# Allegro board 08_038702e.brd (continued)
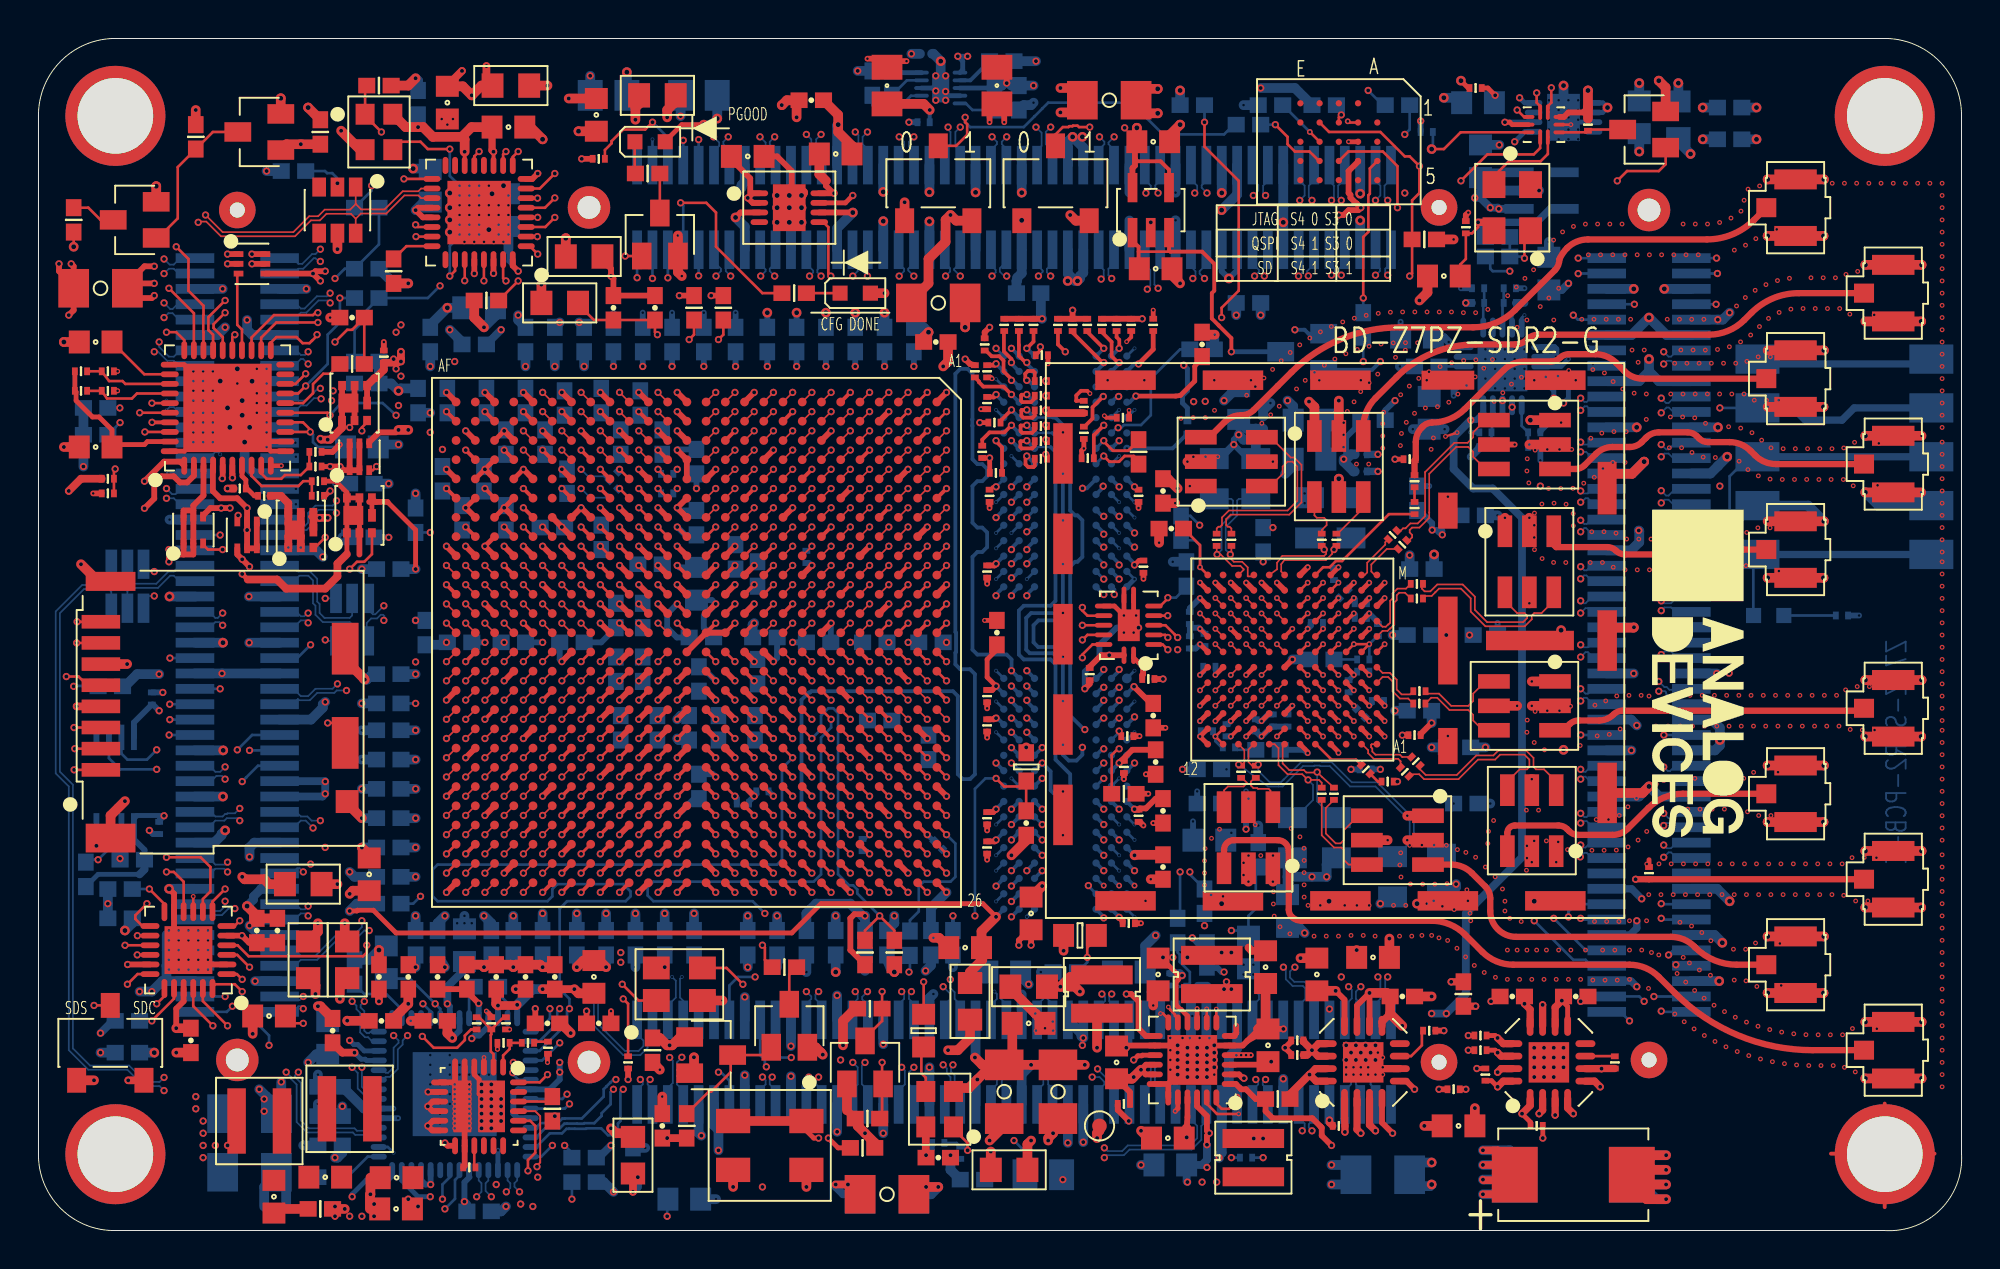
[diagram p0: board, top side]
## Routing (per net, layer and track width the routed paths; a pad name or vN(x,y) marks a point on that pad's centre or on a via; arc(x,y) is an arc through that point) (continued)
  L19_GND w0.089: v4(33.45,13.19) 33.33,13.32 33.33,13.49 33.4,13.57 33.4,13.72 33.33,13.8 33.33,13.95 32.95,14.33 30.41,14.33 v1(30.28,14.46)
  BOTTOM w0.089: JX2.7 33.53,11.95 33.36,12.12 33.36,13.09 v4(33.45,13.19)
IO_L03_13_JX2_P: length 73.3
  TOP w0.089: U1.AE25 v1(22.22,18.59)
  L3_SIG w0.089: v1(22.22,18.59) 22.28,18.65 22.53,18.65 22.67,18.51 22.67,18.14 22.52,17.99 22.4,17.99 22.2,18.2 21.95,18.2 21.88,18.27 21.88,34.8 22.08,35 22.32,35 22.55,34.77 22.55,34.73 22.55,34.73 22.55,34.45 22.55,34.45 22.55,33.73 22.55,33.73 22.55,33.45 22.55,33.45 22.55,32.73 22.55,32.73 22.55,32.45 22.55,32.45 22.55,31.73 22.55,31.73 22.55,31.45 22.55,31.45 22.55,29.73 22.55,29.73 22.55,29.45 22.55,29.45 22.55,28.73 22.55,28.73 22.55,28.45 22.55,28.45 22.55,27.73 22.55,27.73 22.55,25.24 22.87,24.93 23.49,24.93 23.81,25.24 23.81,34.77 24.04,35 24.37,35 24.56,34.8 24.56,17.28 25.2,16.64 25.2,15.35 25.56,14.99 25.56,14.48 25.96,14.08 30.15,14.08 v1(30.28,13.95)
  L19_GND w0.089: v1(30.28,13.95) 30.41,14.08 32.84,14.08 33.07,13.85 33.07,13.32 v4(32.95,13.19)
  BOTTOM w0.089: v4(32.95,13.19) 33.14,12.99 33.14,12.12 32.73,11.7 JX2.5
IO_L03_33_JX1_N: length 74
  TOP w0.089: U1.F2 v1(42.22,42.59)
  L4_SIG w0.089: v1(47.93,49.64) 47.93,51.54 47.68,51.8 44.88,51.8 44.63,52.05 44.63,53.07 44.38,53.32 43.23,53.32 42.98,53.07 42.98,50.51 42.87,50.4 41.43,50.4 41.33,50.51 41.33,51.39 40.92,51.8 37.67,51.8 37.28,51.42 36.73,51.42 36.35,51.8 33.96,51.8 33.71,51.54 33.71,49.26 33.96,49 41.86,49 41.96,48.9 41.96,48.22 41.86,48.11 41.49,48.11 41.22,48.39 40.68,48.39 40.4,48.11 39.97,48.11 39.69,48.39 39.15,48.39 38.88,48.11 38.44,48.11 38.17,48.39 37.63,48.39 37.35,48.11 30.02,48.11 29.77,47.86 29.77,47.1 30.02,46.84 31.96,46.84 32.04,46.93 32.32,46.93 32.4,46.84 35.63,46.84 36.12,46.36 36.12,46.06 35.56,45.5 35.56,38.53 35.63,38.47 35.63,38.34 36.01,37.95 38.42,37.95 38.88,38.42 38.88,38.73 39.08,38.92 39.39,38.92 39.88,39.42 39.88,39.73 40.08,39.92 40.39,39.92 40.81,40.34 40.81,40.65 41.08,40.92 41.61,40.92 41.84,41.16 41.84,42.22 v1(42.22,42.59)
  BOTTOM w0.089: JX1.44 47.93,50.32 47.61,50 47.61,49.96 v1(47.93,49.64)
IO_L03_33_JX1_P: length 73.9
  TOP w0.089: U1.G2 v1(41.22,42.59)
  L4_SIG w0.089: v1(47.17,49.64) 47.46,49.64 47.68,49.86 47.68,50.27 47.55,50.4 47.04,50.4 46.89,50.53 46.89,50.78 47.04,50.91 47.55,50.91 47.68,51.04 47.68,51.42 47.55,51.54 44.78,51.54 44.38,51.95 44.38,52.96 44.27,53.07 43.34,53.07 43.23,52.96 43.23,50.4 42.98,50.15 41.33,50.15 41.07,50.4 41.07,51.29 40.82,51.54 37.77,51.54 37.39,51.16 36.63,51.16 36.25,51.54 34.07,51.54 33.96,51.44 33.96,49.36 34.07,49.26 41.96,49.26 42.22,49 42.22,48.11 41.96,47.86 41.38,47.86 41.11,48.13 40.78,48.13 40.51,47.86 39.86,47.86 39.59,48.13 39.26,48.13 38.98,47.86 38.34,47.86 38.06,48.13 37.73,48.13 37.46,47.86 30.13,47.86 30.02,47.76 30.02,47.2 30.13,47.1 31.86,47.1 31.94,47.18 32.43,47.18 32.51,47.1 35.74,47.1 36.37,46.46 36.37,45.96 35.82,45.4 35.82,38.64 35.88,38.58 35.88,38.45 36.12,38.21 38.31,38.21 38.62,38.52 38.62,38.83 38.97,39.18 39.28,39.18 39.62,39.52 39.62,39.83 39.97,40.18 40.28,40.18 40.55,40.45 40.55,40.76 40.97,41.18 41.5,41.18 41.59,41.26 41.59,42.29 41.48,42.4 41.4,42.4 v1(41.22,42.59)
  BOTTOM w0.089: v1(47.17,49.64) 47.4,49.87 47.4,50.05 47.13,50.32 JX1.42
IO_L03_34_JX4_N: length 72.2
  TOP w0.089: U1.G9 v1(41.22,35.59)
  L17_SIG w0.089: v1(84.38,40.24) 84.19,40.05 84.06,40.05 84,40.11 84,40.37 83.75,40.62 82.88,40.62 81.55,41.95 81.55,44.18 81.17,44.56 81.08,44.56 80.7,44.94 80.7,46.72 81.08,47.1 81.17,47.1 81.55,47.48 81.55,48.68 81.23,49 80.44,49 79.68,48.24 79.17,48.24 78.79,48.62 78.79,51.69 78.43,52.05 77.88,52.05 76.9,51.07 62.79,51.07 61.74,50.02 61.14,50.02 60.09,51.07 50.23,51.07 48.81,49.65 48.81,48.25 48.43,47.87 46.4,47.87 46.26,47.74 46.26,47.27 44.48,45.49 42.49,45.49 40.82,43.82 40.82,36.18 40.84,36.16 40.84,35.96 v1(41.22,35.59)
  BOTTOM w0.089: v1(84.38,40.24) 84.55,40.41 84.76,40.41 85,40.17 JX4.27
IO_L03_34_JX4_P: length 72.6
  TOP w0.089: U1.H9 v1(40.22,35.59)
  L17_SIG w0.089: v1(84.38,40.88) 82.98,40.88 81.8,42.06 81.8,44.28 81.27,44.81 81.18,44.81 80.95,45.04 80.95,46.61 81.18,46.84 81.27,46.84 81.8,47.37 81.8,48.79 81.33,49.26 80.34,49.26 79.58,48.5 79.28,48.5 79.05,48.73 79.05,51.8 78.54,52.31 77.78,52.31 76.8,51.33 62.68,51.33 61.63,50.27 61.24,50.27 60.19,51.33 50.13,51.33 48.56,49.75 48.56,48.36 48.32,48.13 46.29,48.13 46.01,47.84 46.01,47.37 44.38,45.74 42.38,45.74 40.57,43.92 40.57,36.07 40.59,36.05 40.59,35.96 v1(40.22,35.59)
  BOTTOM w0.089: JX4.25 85.11,40.97 84.76,40.62 84.63,40.62 v1(84.38,40.88) ; v1(40.22,35.59) 39.98,35.35 R53.1
IO_L03_35_RX_D2_N: length 44.2
  TOP w0.089: U1.F10 v1(42.22,34.59) ; v6(62.8,32.89) U17.K9
  L17_SIG w0.089: v6(62.8,32.89) 62.94,32.75 63.04,32.75 63.3,33 63.3,33.13 63.04,33.38 62.66,33.38 62.54,33.51 62.5,33.51 62.5,33.67 62.3,33.88 62.3,33.88 62.16,34.02 62.16,34.14 62.28,34.27 62.41,34.27 62.74,34.6 63.38,34.6 63.54,34.44 63.82,34.44 63.98,34.6 65.69,34.6 65.87,34.79 65.94,34.79 66.35,35.19 66.35,35.67 66.09,35.92 60.5,35.92 60.25,35.67 57.75,35.67 57.34,35.25 57.18,35.25 57.13,35.21 56.85,35.21 56.81,35.25 55.58,35.25 55.53,35.21 55.25,35.21 55.04,35.42 55.04,35.75 54.79,36.01 53.52,36.01 53.27,36.26 53.27,36.94 53.01,37.19 52.25,37.19 52,36.94 52,36.26 51.74,36.01 51.23,36.01 50.98,36.26 50.98,36.43 50.73,36.68 50.34,36.68 50.09,36.43 50.09,35.75 49.63,35.29 49,35.29 48.89,35.39 48.89,37.04 48.49,37.45 47.55,37.45 47.35,37.25 46.04,37.25 45.63,36.83 45.63,36.34 45.65,36.32 45.65,35.85 45.63,35.83 45.63,35.43 45.39,35.19 42.97,35.19 42.61,34.84 42.61,34.65 42.6,34.63 42.6,33.48 42.36,33.24 42.07,33.24 41.87,33.44 41.87,33.84 41.84,33.86 41.84,34.22 v1(42.22,34.59)
IO_L03_35_RX_D2_P: length 44.4
  TOP w0.089: v6(62,32.09) U17.J10 ; U1.G10 v1(41.22,34.59)
  L17_SIG w0.089: v1(41.22,34.59) 41.59,34.22 41.59,33.76 41.61,33.73 41.61,33.34 41.97,32.99 42.47,32.99 42.85,33.37 42.85,34.53 42.87,34.54 42.87,34.73 43.07,34.94 45.5,34.94 45.9,35.34 45.9,35.43 45.88,35.45 45.88,35.73 45.9,35.75 45.9,36.43 45.88,36.45 45.88,36.73 46.15,37 47.46,37 47.65,37.19 48.39,37.19 48.64,36.94 48.64,35.29 48.89,35.03 49.74,35.03 50.34,35.64 50.34,36.33 50.45,36.43 50.62,36.43 50.73,36.33 50.73,36.15 51.13,35.75 51.85,35.75 52.25,36.15 52.25,36.83 52.35,36.94 52.91,36.94 53.01,36.83 53.01,36.15 53.41,35.75 54.68,35.75 54.79,35.65 54.79,35.31 55.15,34.95 55.64,34.95 55.68,35 56.7,35 56.75,34.95 57.24,34.95 57.28,35 57.44,35 57.86,35.41 60.36,35.41 60.61,35.67 65.99,35.67 66.09,35.56 66.09,35.3 65.84,35.05 65.77,35.05 65.58,34.86 64.08,34.86 63.82,35.12 63.54,35.12 63.28,34.86 62.64,34.86 62.3,34.53 62.18,34.53 61.9,34.25 61.9,34.02 61.7,33.82 61.7,33.57 61.87,33.39 61.98,33.39 62.24,33.13 62.24,33.07 62.3,33.02 62.3,32.39 v6(62,32.09)
IO_L04_12_JX3_N: length 73.8
  TOP w0.089: U1.AB10 v1(25.22,34.59)
  L6_SIG w0.089: v1(9.7,24.11) 10.04,24.11 10.23,23.92 10.33,23.92 10.37,23.96 12.12,23.96 12.63,24.47 12.63,27.03 12.24,27.41 7.8,27.41 7.42,27.79 7.42,29.83 6.89,30.36 6.89,31.33 7.29,31.73 7.29,42.01 7.65,42.38 7.65,43.31 7.44,43.52 7.44,43.52 7.29,43.67 7.29,47.73 7.55,47.99 8.69,47.99 8.94,47.73 8.94,30.06 9.17,29.83 12.39,29.83 12.63,30.06 12.63,32.49 14.02,33.89 20.37,33.89 20.73,34.25 21.46,34.25 21.5,34.22 24.84,34.22 v1(25.22,34.59)
  BOTTOM w0.089: JX3.33 8.88,24.17 9.2,23.86 9.45,23.86 v1(9.7,24.11)
IO_L04_12_JX3_P: length 73.7
  TOP w0.089: U1.AB11 v1(25.22,33.59)
  L6_SIG w0.089: v1(9.7,23.48) 10.04,23.48 10.23,23.67 10.43,23.67 10.48,23.71 12.22,23.71 12.88,24.37 12.88,27.14 12.35,27.67 7.9,27.67 7.67,27.9 7.67,29.93 7.14,30.46 7.14,31.22 7.55,31.63 7.55,41.91 7.91,42.27 7.91,43.42 7.55,43.78 7.55,47.63 7.65,47.73 8.58,47.73 8.69,47.63 8.69,29.95 9.07,29.57 12.5,29.57 12.88,29.95 12.88,32.39 14.13,33.64 20.48,33.64 20.84,34 21.35,34 21.39,33.96 24.84,33.96 v1(25.22,33.59)
  BOTTOM w0.089: JX3.31 8.98,23.37 9.25,23.64 9.54,23.64 v1(9.7,23.48)
IO_L04_13_JX2_N: length 72.5
  TOP w0.089: U1.AD26 v1(23.22,17.59)
  L14_SIG w0.089: v1(23.22,17.59) 23.29,17.67 23.29,18.02 23.21,18.1 23.08,18.1 22.95,17.96 22.07,17.96 21.88,17.77 21.88,17.4 21.35,16.87 20.19,16.87 20.11,16.79 19.62,16.79 19.54,16.87 18.83,16.87 18.59,16.64 18.59,16.09 18.83,15.86 23.18,15.86 23.55,15.48 23.55,14.96 23.18,14.59 19.21,14.59 18.45,13.82 16.4,13.82 16.18,13.6 16.18,13.29 16.4,13.06 17.19,13.06 17.7,12.55 19.36,12.55 19.46,12.66 19.46,13.04 19.99,13.57 20.5,13.57 21.01,13.06 22.02,13.06 22.4,12.68 22.4,11.54 22.66,11.28 24.94,11.28 25.33,10.9 25.33,9.89 24.82,9.38 22.3,9.38 21.9,9.78 21.9,10.42 21.79,10.52 20.86,10.52 20.75,10.42 20.75,9.91 20.35,9.51 18.83,9.51 18.72,9.4 18.72,8.49 18.83,8.39 20.48,8.39 20.88,7.98 20.88,6.44 20.99,6.33 21.28,6.33 21.39,6.44 21.39,7.86 21.9,8.36 22.64,8.36 22.64,8.36 22.81,8.19 23.97,8.19 24.31,7.86 25.2,7.86 25.45,8.11 25.45,8.87 26.09,9.51 26.09,10.52 26.47,10.9 29.88,10.9 30.41,10.37 30.41,8.72 30.64,8.49 31.19,8.49 31.42,8.72 31.42,10.37 31.95,10.9 32.95,10.9 33.41,10.44 33.41,9.06 v1(33.45,9.01)
  BOTTOM w0.089: v1(33.45,9.01) 33.45,9 33.2,8.74 33.2,8.33 33.21,8.33 33.21,8.05 33.2,8.04 33.2,7.6 33.53,7.27 JX2.8
IO_L04_13_JX2_P: length 72.5
  TOP w0.089: U1.AD25 v1(23.22,18.59)
  L14_SIG w0.089: v1(32.82,9) 33.07,9.25 33.07,9.41 33.15,9.49 33.15,10.34 32.84,10.65 32.06,10.65 31.68,10.27 31.68,8.62 31.29,8.24 30.53,8.24 30.15,8.62 30.15,10.27 29.77,10.65 26.57,10.65 26.34,10.42 26.34,9.4 25.71,8.77 25.71,8 25.3,7.6 24.2,7.6 23.87,7.94 22.7,7.94 22.53,8.11 22,8.11 21.64,7.75 21.64,6.33 21.39,6.08 20.88,6.08 20.63,6.33 20.63,7.88 20.37,8.13 18.72,8.13 18.47,8.39 18.47,9.51 18.72,9.76 20.25,9.76 20.5,10.01 20.5,10.52 20.75,10.78 21.9,10.78 22.15,10.52 22.15,9.89 22.4,9.63 24.71,9.63 25.07,9.99 25.07,10.8 24.84,11.03 22.55,11.03 22.15,11.43 22.15,12.58 21.92,12.81 20.9,12.81 20.39,13.32 20.1,13.32 19.72,12.94 19.72,12.55 19.46,12.3 17.59,12.3 17.08,12.81 16.3,12.81 15.93,13.18 15.93,13.71 16.3,14.08 18.34,14.08 19.1,14.84 23.07,14.84 23.29,15.06 23.29,15.38 23.07,15.6 18.72,15.6 18.34,15.98 18.34,16.75 18.72,17.13 19.64,17.13 19.72,17.04 20,17.04 20.09,17.13 21.24,17.13 21.63,17.51 21.63,17.87 21.97,18.22 22.84,18.22 v1(23.22,18.59)
  BOTTOM w0.089: JX2.6 32.73,7.42 32.98,7.67 32.98,8.83 v1(32.82,9)
IO_L04_33_JX1_N: length 73.8
  TOP w0.089: U1.C1 v1(45.22,43.59)
  L7_SIG w0.089: v1(45.22,43.59) 44.84,43.96 44.84,44.05 45.1,44.3 45.77,44.3 47.79,46.32 47.79,47.14 48.51,47.86 52.38,47.86 53.27,46.97 54.92,46.97 55.93,47.99 62.28,47.99 62.66,48.37 62.66,49.77 63.04,50.15 63.3,50.15 63.68,50.53 63.68,52.04 63.3,52.42 58.3,52.42 57.98,52.1 57.7,52.1 57.37,52.42 53.69,52.42 53.68,52.43 53.54,52.43 53.31,52.66 53.31,53.07 53.39,53.15 53.39,53.22 53.62,53.45 56.19,53.45 56.57,53.83 56.57,54.34 56.19,54.72 53.69,54.72 53.31,55.1 53.31,57.17 53.56,57.42 53.56,57.53 53.8,57.77 56.93,57.77 57.46,58.3 57.46,59.8 57.08,60.18 51.23,60.18 50.98,60.43 49.58,60.43 49.33,60.18 48.82,60.18 48.1,59.46 48.1,58.77 48.73,58.15 50.73,58.15 51.11,57.77 51.11,55.86 50.73,55.48 50.47,55.48 50.09,55.86 50.09,56.62 v1(50.34,56.88)
  BOTTOM w0.089: v1(50.34,56.88) 50.09,56.62 50.09,56.5 50.33,56.26 JX1.49
IO_L04_33_JX1_P: length 73.8
  TOP w0.089: U1.D1 v1(44.22,43.59)
  L7_SIG w0.089: v1(44.22,43.59) 44.59,43.96 44.59,44.16 44.99,44.56 45.67,44.56 47.53,46.42 47.53,47.24 48.4,48.11 52.48,48.11 53.37,47.23 54.81,47.23 55.83,48.24 62.18,48.24 62.41,48.47 62.41,49.87 62.94,50.4 63.19,50.4 63.43,50.63 63.43,51.93 63.19,52.17 58.41,52.17 58.08,51.84 57.59,51.84 57.27,52.17 53.59,52.17 53.57,52.18 53.44,52.18 53.06,52.56 53.06,53.17 53.14,53.26 53.14,53.32 53.52,53.7 53.59,53.7 56.08,53.7 56.31,53.93 56.31,54.23 56.08,54.46 53.59,54.46 53.06,54.99 53.06,57.28 53.31,57.53 53.31,57.64 53.69,58.02 56.82,58.02 57.2,58.4 57.2,59.69 56.97,59.93 51.13,59.93 50.87,60.18 49.69,60.18 49.43,59.93 48.93,59.93 48.36,59.36 48.36,58.88 48.83,58.4 50.83,58.4 51.36,57.87 51.36,55.76 50.83,55.23 50.37,55.23 49.84,55.76 49.84,56.62 v1(49.58,56.88)
  BOTTOM w0.089: v1(49.58,56.88) 49.84,56.62 49.84,56.5 49.53,56.19 JX1.47
IO_L04_34_JX4_N: length 73.6
  TOP w0.089: U1.H6 v1(40.22,38.59)
  L4_SIG w0.089: v1(80.19,40.49) 80.55,40.49 80.81,40.24 82.98,40.24 83.88,41.14 84.13,41.38 85.14,41.38 85.9,42.15 85.9,44.56 86.29,44.94 87.56,44.94 87.81,44.69 87.81,44.43 88.06,44.18 88.95,44.18 89.21,44.43 89.21,46.46 88.95,46.72 83.24,46.72 82.86,46.34 82.86,43.29 81.33,41.76 79.81,41.76 78.56,40.51 75.51,40.51 75.11,40.11 73.82,40.11 73.42,40.51 72.19,40.51 71.7,41 67.24,41 66.45,40.22 59.67,40.22 59.51,40.37 56.58,40.37 56.33,40.62 55.25,40.62 54.67,40.03 52.24,40.03 51.65,40.62 50.45,40.62 50.03,40.19 50.03,40.16 49.05,39.18 44.97,39.18 44.55,38.76 44.55,38.45 44.32,38.22 40.59,38.22 v1(40.22,38.59)
  BOTTOM w0.089: v1(80.19,40.49) 80.48,40.49 80.8,40.17 JX4.28
IO_L04_34_JX4_P: length 73.6
  TOP w0.089: U1.H7 v1(40.22,37.59)
  L4_SIG w0.089: v1(80.19,41) 80.55,41 81.06,40.49 81.59,40.49 81.71,40.62 81.71,41.13 81.84,41.26 82.22,41.26 82.35,41.13 82.35,40.62 82.48,40.49 82.88,40.49 83.11,40.73 83.11,41.13 83.3,41.32 83.7,41.32 84.02,41.64 85.04,41.64 85.65,42.25 85.65,44.66 86.18,45.19 87.66,45.19 88.06,44.79 88.06,44.54 88.17,44.43 88.85,44.43 88.95,44.54 88.95,46.36 88.85,46.46 83.34,46.46 83.11,46.23 83.11,43.18 81.44,41.51 79.91,41.51 78.66,40.26 75.62,40.26 75.22,39.86 73.71,39.86 73.31,40.26 72.08,40.26 71.59,40.75 67.34,40.75 66.55,39.96 59.56,39.96 59.41,40.11 56.58,40.11 56.24,39.78 50.01,39.78 49.16,38.92 45.08,38.92 44.81,38.65 44.81,38.34 44.42,37.96 40.52,37.96 40.41,37.85 40.41,37.79 v1(40.22,37.59)
  BOTTOM w0.089: JX4.26 80.79,40.97 80.7,40.88 80.28,40.88 80.19,40.96 v1(80.19,41)
IO_L04_35_RX_D3_N: length 41.4
  TOP w0.089: v6(63.6,32.89) U17.K8 ; U1.D11 v1(44.22,33.59)
  L6_SIG w0.089: v6(63.6,32.89) 63.43,32.89 63.41,32.87 63.17,32.87 63.1,32.94 63.1,33.05 62.97,33.19 60.17,33.19 59.72,33.64 58.35,33.64 58.07,33.36 58.07,32.96 57.05,31.94 56.96,31.94 56.44,31.94 56.23,31.73 55.28,31.73 55.02,31.99 54.61,31.99 54.53,32.07 54.04,32.07 53.95,31.99 53.24,31.99 52.99,32.24 52.52,32.24 52.02,31.73 51.49,31.73 50.98,32.24 41.12,32.24 41.06,32.18 40.97,32.18 40.56,31.77 40.56,31.15 39.71,30.31 39.68,30.31 39.55,30.18 37.39,30.18 37.31,30.25 37.31,30.51 37.42,30.61 38.08,30.61 38.81,31.34 38.81,31.42 38.81,31.42 38.81,31.91 38.91,32 39.46,32 39.81,32.34 39.81,32.44 39.88,32.52 39.88,32.73 40.08,32.92 41.38,32.92 41.46,33 41.46,33 41.81,33.34 41.81,33.73 42.08,34 42.46,34 42.62,33.84 42.62,33.27 42.97,32.93 43.46,32.93 43.81,33.27 43.81,33.46 43.94,33.59 v1(44.22,33.59)
IO_L04_35_RX_D3_P: length 43.4
  TOP w0.089: U1.E11 v1(43.22,33.59) ; v6(62.8,32.09) U17.J9
  L6_SIG w0.089: v1(43.22,33.59) 43.21,33.6 43.21,34.12 43.31,34.22 43.56,34.22 43.74,34.05 43.74,33.74 43.56,33.56 43.56,33.38 43.36,33.18 43.08,33.18 42.88,33.38 42.88,33.94 42.57,34.25 41.97,34.25 41.55,33.83 41.55,33.45 41.35,33.25 41.35,33.25 41.28,33.18 39.97,33.18 39.63,32.83 39.63,32.62 39.55,32.55 39.55,32.45 39.35,32.25 38.8,32.25 38.56,32.01 38.56,31.53 38.55,31.52 38.55,31.45 37.97,30.87 37.31,30.87 37.06,30.61 37.06,30.15 37.28,29.92 39.66,29.92 39.78,30.05 39.82,30.05 40.82,31.05 40.82,31.66 41.08,31.92 41.16,31.92 41.23,31.99 50.87,31.99 51.38,31.48 52.12,31.48 52.63,31.99 52.88,31.99 53.14,31.73 54.06,31.73 54.14,31.81 54.42,31.81 54.5,31.73 54.92,31.73 55.17,31.48 56.34,31.48 56.55,31.69 57.06,31.69 57.16,31.69 58.32,32.85 58.32,33.26 58.45,33.38 59.62,33.38 60.01,32.99 60.01,32.86 60.27,32.6 60.38,32.6 62.94,32.59 63.03,32.5 63.17,32.36 63.17,32.24 63.03,32.09 v6(62.8,32.09)
IO_L05_12_JX3_N: length 73.6
  TOP w0.089: U1.Y13 v1(27.22,31.59)
  L6_SIG w0.089: v1(15.55,28.43) 15.67,28.56 15.8,28.56 15.93,28.43 16,28.43 16.13,28.56 16.13,28.73 15.93,28.94 15.93,28.99 16.13,29.19 16.13,29.4 16.56,29.83 17.71,29.83 18.09,29.45 18.09,21.21 17.56,20.68 15.91,20.68 15.67,20.45 15.67,19.31 15.17,18.8 15.17,17.1 15.42,16.85 15.42,15.58 14.89,15.05 14.46,15.05 14.15,14.74 14.15,13.8 15.29,12.66 15.29,11.9 15.59,11.6 15.59,8.09 15.83,7.86 17.22,7.86 17.45,8.09 17.45,10.37 18.21,11.14 18.21,12.66 18.62,13.06 21.64,13.06 22.02,13.44 22.02,14.33 21.64,14.71 19.23,14.71 18.85,15.09 18.85,29.87 19.23,30.25 26.35,30.25 26.44,30.33 27.25,30.33 27.61,30.69 27.61,31.3 27.51,31.4 27.4,31.4 v1(27.22,31.59)
  BOTTOM w0.089: JX3.44 13.26,28.17 13.64,27.79 14.02,27.79 14.4,28.18 15.29,28.18 v1(15.55,28.43)
IO_L05_12_JX3_P: length 73.7
  TOP w0.089: U1.W13 v1(28.22,31.59)
  L6_SIG w0.089: v1(28.22,31.59) 27.87,31.24 27.87,30.59 27.36,30.08 26.54,30.08 26.46,30 19.33,30 19.1,29.77 19.1,15.2 19.33,14.97 21.75,14.97 22.28,14.44 22.28,13.34 21.75,12.81 18.72,12.81 18.47,12.55 18.47,11.03 17.71,10.27 17.71,7.98 17.32,7.6 15.72,7.6 15.34,7.98 15.34,11.49 15.04,11.79 15.04,12.55 13.9,13.7 13.9,14.84 14.36,15.3 14.78,15.3 15.17,15.69 15.17,16.75 14.91,17 14.91,18.9 15.42,19.41 15.42,20.56 15.8,20.94 17.45,20.94 17.83,21.32 17.83,29.34 17.6,29.57 16.67,29.57 16.39,29.29 16.39,28.45 16.18,28.25 16.14,28.21 v1(16.02,28.09)
  BOTTOM w0.089: JX3.42 13.22,27.37 13.49,27.64 13.55,27.58 14.11,27.58 14.49,27.96 15.38,27.96 15.51,28.09 v1(16.02,28.09)
IO_L05_33_JX1_N: length 72.6
  TOP w0.089: U1.E1 v1(43.22,43.59)
  L14_SIG w0.089: v1(52.63,49.64) 52.5,49.77 52.5,50.42 52.27,50.65 51.38,50.65 50.98,50.25 50.98,48.28 51.51,47.75 53.05,47.75 53.39,47.41 53.39,46.95 53.16,46.72 50.58,46.72 50.34,46.95 50.34,48.24 49.96,48.62 48.97,48.62 48.59,48.24 48.59,45.89 48.57,45.87 48.57,45.32 49.46,44.43 50.33,44.43 50.45,44.55 52.48,44.55 52.6,44.43 54.03,44.43 54.15,44.55 56.33,44.55 56.45,44.43 57.48,44.43 57.71,44.2 57.71,43.03 58.09,42.65 58.9,42.65 59.28,43.03 59.28,43.08 59.66,43.46 60.24,43.46 60.59,43.81 60.59,44.22 60.8,44.43 61.1,44.43 61.31,44.22 61.31,43.94 61.61,43.64 62.11,43.64 63.66,45.19 65.82,45.19 67.33,46.71 67.64,46.71 67.86,46.49 67.86,46.18 66.24,44.56 64.21,44.56 62.71,43.06 62.31,43.06 61.01,41.76 57.18,41.76 56.35,42.6 56.35,42.6 56.06,42.89 55.55,42.89 55.19,42.53 54.39,42.53 54.13,42.78 52.76,42.78 52.5,43.03 50.47,43.03 50.22,42.78 48.33,42.78 47.73,42.18 45.08,42.18 44.81,42.45 44.81,42.83 44.42,43.22 43.59,43.22 v1(43.22,43.59)
  BOTTOM w0.089: v1(52.63,49.64) 52.44,49.83 52.44,50.01 52.73,50.3 JX1.56
IO_L05_33_JX1_P: length 72.5
  TOP w0.089: U1.E2 v1(43.22,42.59)
  L14_SIG w0.089: v1(52,49.64) 52.25,49.89 52.25,50.31 52.16,50.4 51.49,50.4 51.23,50.15 51.23,48.39 51.61,48.01 53.15,48.01 53.65,47.51 53.65,46.84 53.27,46.46 50.47,46.46 50.09,46.84 50.09,48.14 49.86,48.37 49.07,48.37 48.84,48.14 48.84,45.79 48.82,45.77 48.82,45.43 49.56,44.69 50.23,44.69 50.35,44.81 52.58,44.81 52.7,44.69 53.93,44.69 54.05,44.81 56.44,44.81 56.56,44.69 57.58,44.69 57.96,44.3 57.96,43.14 58.2,42.91 58.79,42.91 59.02,43.14 59.02,43.18 59.55,43.71 60.14,43.71 60.33,43.91 60.33,44.32 60.69,44.69 61.2,44.69 61.56,44.32 61.56,44.04 61.71,43.9 62,43.9 63.55,45.45 65.71,45.45 67.23,46.97 67.75,46.97 68.12,46.6 68.12,46.08 66.35,44.3 64.31,44.3 62.81,42.8 62.41,42.8 61.12,41.51 57.08,41.51 56.17,42.42 56.09,42.49 56.09,42.5 55.96,42.63 55.66,42.63 55.29,42.27 54.28,42.27 54.03,42.53 52.73,42.53 52.52,42.32 50.47,42.32 50.26,42.53 48.44,42.53 47.84,41.92 44.97,41.92 44.55,42.34 44.55,42.73 44.32,42.96 43.48,42.96 43.38,43.06 43.26,43.06 43.17,42.97 43.17,42.63 v1(43.22,42.59)
  BOTTOM w0.089: JX1.54 51.93,50.21 52.22,49.92 52.22,49.86 v1(52,49.64)
IO_L05_34_JX4_N: length 73.2
  TOP w0.089: U1.J9 v1(39.22,35.59)
  L14_SIG w0.089: v1(84.38,37.84) 84.58,38.04 85.52,38.04 85.9,38.42 85.9,38.84 85.52,39.22 82.62,39.22 82.09,38.69 82.09,33.61 81.86,33.38 81.18,33.38 80.95,33.61 80.95,38.69 80.42,39.22 78.92,39.22 78.54,39.61 78.54,40.85 78.01,41.38 77.04,41.38 76.51,40.85 76.51,37.17 76.27,36.94 74.71,36.94 74.47,37.17 74.47,38.69 73.94,39.22 70.62,39.22 70.22,38.82 70.22,37.3 70.11,37.19 60.7,37.19 60.62,37.27 60.13,37.27 60.05,37.19 58.24,37.19 57.86,36.81 57.29,36.81 57.24,36.87 56.75,36.87 56.69,36.81 54.19,36.81 53.93,37.07 51.88,37.07 51.53,37.41 49.65,37.41 49.3,37.07 48.82,37.07 47.93,36.18 43.97,36.18 43.55,35.76 43.55,35.45 43.32,35.22 39.59,35.22 v1(39.22,35.59)
  BOTTOM w0.089: v1(84.38,37.84) 84.55,38.01 84.76,38.01 85,37.77 JX4.33
IO_L05_34_JX4_P: length 73.3
  TOP w0.089: U1.J10 v1(39.22,34.59)
  L14_SIG w0.089: v1(84.38,38.48) 84.57,38.29 85.42,38.29 85.65,38.52 85.65,38.74 85.42,38.97 82.73,38.97 82.35,38.59 82.35,33.51 81.97,33.13 81.08,33.13 80.7,33.51 80.7,38.59 80.32,38.97 78.81,38.97 78.28,39.5 78.28,40.75 77.9,41.13 77.14,41.13 76.76,40.75 76.76,37.07 76.38,36.68 74.6,36.68 74.22,37.07 74.22,38.59 73.84,38.97 70.73,38.97 70.47,38.72 70.47,37.19 70.22,36.94 60.6,36.94 60.52,37.02 60.24,37.02 60.16,36.94 58.35,36.94 57.96,36.56 57.19,36.56 57.13,36.61 56.85,36.61 56.79,36.55 54.09,36.55 53.83,36.81 51.6,36.81 51.53,36.74 49.65,36.74 49.58,36.81 48.93,36.81 48.04,35.92 44.08,35.92 43.81,35.65 43.81,35.34 43.42,34.96 39.48,34.96 39.35,35.09 38.97,35.09 38.79,34.91 38.79,34.78 38.97,34.6 38.97,34.59 v1(39.22,34.59)
  BOTTOM w0.089: v1(84.38,38.48) 84.63,38.22 84.76,38.22 85.11,38.57 85.95,38.57 JX4.31
IO_L05_35_RX_D4_N: length 43.9
  TOP w0.089: v6(64.4,32.89) U17.K7 ; U1.G11 v1(41.22,33.59)
  L4_SIG w0.089: v1(41.22,33.59) 41.21,33.59 40.87,33.59 40.77,33.48 40.77,33.1 40.89,32.98 41.25,32.98 41.48,33.22 42.32,33.22 42.6,33.49 42.6,33.99 42.86,34.25 43.61,34.25 43.88,33.98 43.88,33.45 44.08,33.25 44.47,33.25 44.58,33.36 44.58,33.85 44.98,34.25 45.57,34.25 45.88,33.94 45.88,33.45 46.08,33.25 46.35,33.25 46.55,33.45 46.55,33.86 46.89,34.2 47.55,34.2 47.81,33.94 47.81,33.47 48.06,33.22 48.4,33.22 48.82,33.64 50.42,33.64 50.45,33.61 51.33,33.61 51.92,34.2 53.03,34.2 53.77,34.94 53.77,35.38 54.18,35.79 54.76,35.79 55.06,35.49 55.06,35.4 55.25,35.21 57.33,35.21 57.74,34.8 57.74,34.63 57.84,34.53 57.99,34.53 58.24,34.78 58.24,36.22 58.48,36.46 58.82,36.46 59.06,36.22 59.06,34.78 59.31,34.53 59.64,34.53 59.74,34.63 59.74,36.07 59.97,36.3 60.72,36.3 60.95,36.07 60.95,34.65 61.2,34.4 62.2,34.4 62.31,34.5 62.31,35.19 62.66,35.54 64.57,35.54 64.82,35.29 64.82,34.78 64.57,34.53 64.31,34.53 63.93,34.14 63.93,33.78 63.94,33.77 63.97,33.77 64.1,33.64 64.1,33.57 64.27,33.4 64.68,33.4 64.82,33.26 64.82,33.02 64.7,32.89 v6(64.4,32.89)
IO_L05_35_RX_D4_P: length 42.7
  TOP w0.089: U1.G12 v1(41.22,32.59) ; v6(63.6,32.09) U17.J8
  L4_SIG w0.089: v6(63.6,32.09) 63.6,32.47 63.89,32.77 63.89,33.13 63.8,33.22 63.65,33.22 63.3,33.57 63.3,33.82 63.47,33.99 63.55,33.99 63.68,34.12 63.68,34.25 64.21,34.78 64.46,34.78 64.57,34.88 64.57,35.18 64.46,35.29 62.77,35.29 62.56,35.08 62.56,34.4 62.31,34.14 61.1,34.14 60.69,34.55 60.69,35.97 60.61,36.05 60.08,36.05 60,35.97 60,34.53 59.74,34.27 59.21,34.27 58.8,34.67 58.8,36.11 58.71,36.2 58.59,36.2 58.5,36.11 58.5,34.67 58.1,34.27 57.74,34.27 57.48,34.53 57.48,34.7 57.23,34.95 55.15,34.95 54.8,35.3 54.8,35.38 54.65,35.53 54.28,35.53 54.03,35.28 54.03,34.83 53.14,33.94 52.02,33.94 51.44,33.35 50.35,33.35 50.32,33.38 48.93,33.38 48.5,32.96 47.9,32.96 47.55,33.31 47.55,33.84 47.45,33.94 47,33.94 46.81,33.75 46.81,33.34 46.46,33 45.97,33 45.63,33.34 45.63,33.83 45.46,34 45.09,34 44.83,33.74 44.83,33.25 44.58,33 43.97,33 43.63,33.34 43.63,33.87 43.5,34 42.96,34 42.85,33.89 42.85,33.39 42.42,32.96 41.59,32.96 v1(41.22,32.59)
IO_L06_12_JX3_N: length 72.1
  TOP w0.089: U1.AA12 v1(26.22,32.59)
  L7_SIG w0.089: v1(26.22,32.59) 25.84,32.22 25.45,32.22 25.43,32.19 25.35,32.18 24.97,32.18 24.62,31.83 24.62,29.34 24.97,29 25.09,29 25.15,28.94 26.32,28.94 26.38,29 26.46,29 26.81,29.34 26.81,29.42 26.85,29.47 26.85,30.36 26.95,30.46 27.38,30.46 27.62,30.22 27.62,29.34 27.97,29 28.21,29 28.27,28.94 28.39,28.94 28.62,28.71 28.62,28.19 28.63,25.48 28.32,25.18 27.03,25.18 26.85,25.36 26.85,27.79 26.66,27.98 26.53,28.1 26.46,28.18 25.97,28.18 25.97,28.18 25.46,28.18 25.46,28.18 24.97,28.18 24.62,27.83 24.62,27.39 24.41,27.18 23.97,27.18 23.95,27.16 23.48,27.16 23.46,27.18 23.09,27.18 22.88,27.39 22.88,31.73 22.91,31.76 22.91,32.42 22.88,32.45 22.88,32.73 22.91,32.76 22.91,33.42 22.88,33.45 22.88,33.83 22.46,34.25 21.91,34.25 21.55,33.89 21.55,27.45 21.35,27.25 21.25,27.25 21.18,27.18 20.97,27.18 20.95,27.16 20.43,27.16 20.2,27.39 20.2,31.98 20.12,32.06 20.12,34.07 20.2,34.15 20.2,34.64 20.12,34.73 20.12,36.08 20.04,36.16 20.04,36.44 20.12,36.53 20.12,38.01 20.2,38.09 20.2,38.58 20.12,38.66 20.12,40.14 19.63,40.62 18.95,40.62 18.47,40.14 18.47,39.07 18.55,38.98 18.55,38.7 18.47,38.62 18.47,38.05 18.49,38.03 18.49,37.75 18.47,37.73 18.47,36.27 18.55,36.19 18.55,35.91 18.47,35.83 18.47,34.14 18.34,34.02 17.53,34.02 17.41,34.14 17.41,34.64 17.32,34.73 17.32,37.07 17.28,37.12 17.28,37.56 16.93,37.91 15.59,37.91 15.55,37.95 v1(15.5,37.95)
  BOTTOM w0.089: JX3.66 13.19,36.97 13.51,36.65 13.86,36.65 14.02,36.81 14.02,37.32 14.4,37.7 15.29,37.7 15.5,37.9 v1(15.5,37.95)
